# KiCad board unibone.kicad_pcb (continued)
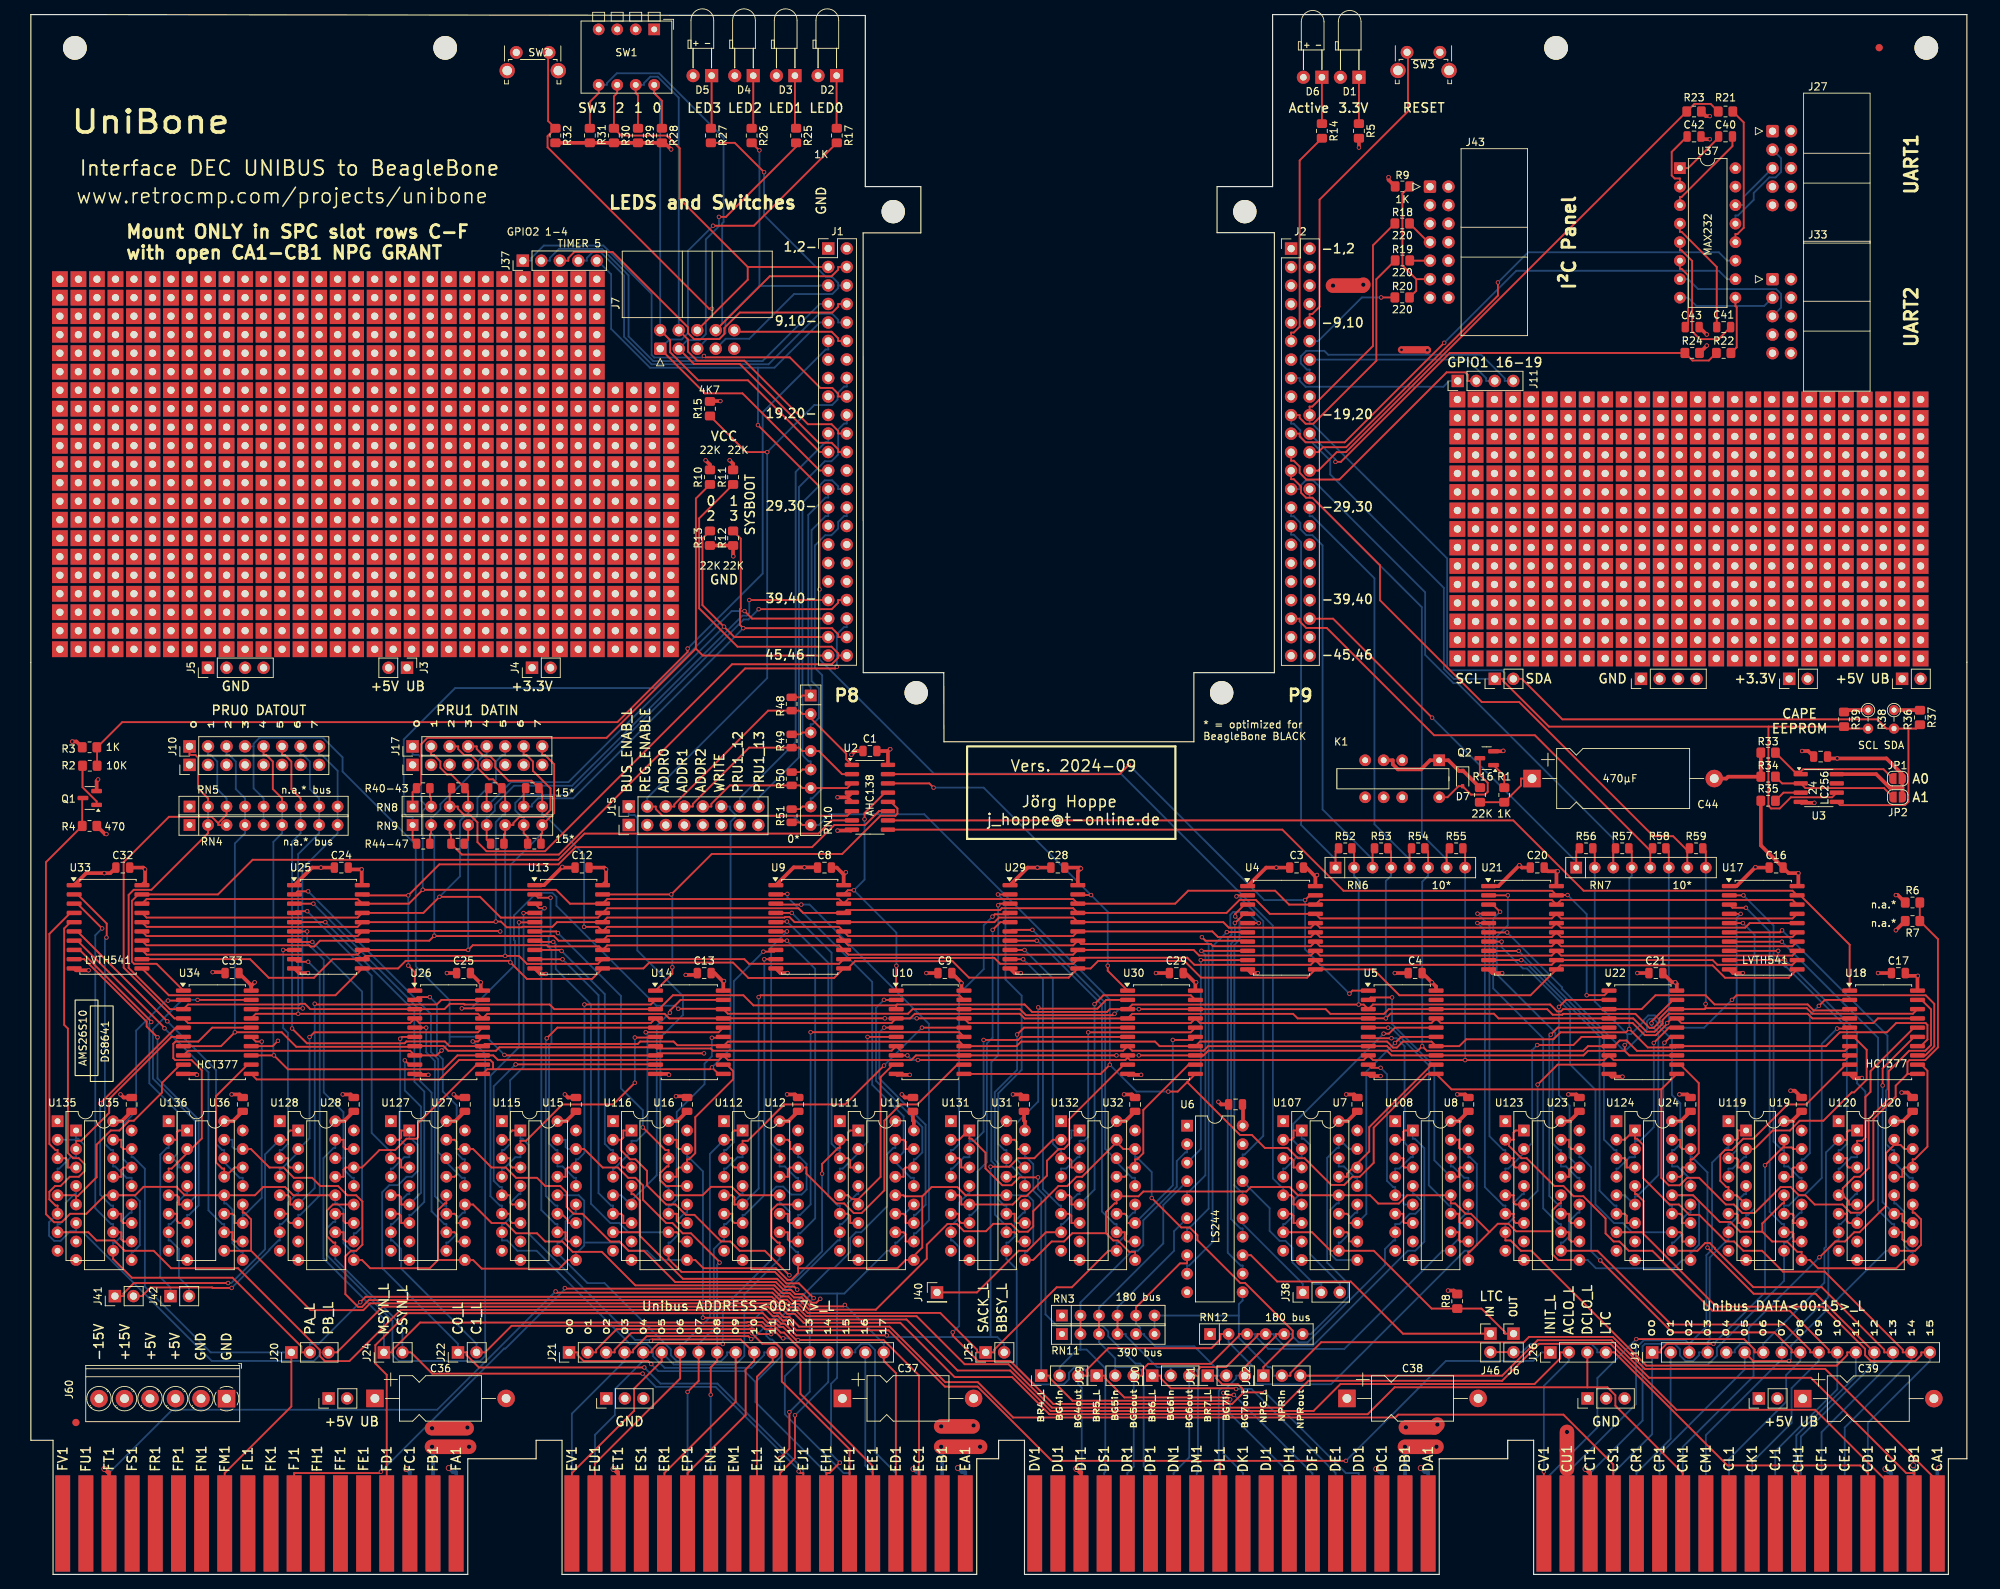
[diagram p0: board, top side]
## Footprints (pads in the part's own frame, mm; a bottom-side part is the same pattern mirrored in y, then rotated) (continued)
PinHeader_1x08_P2.54mm_Vertical
  rect 1.7x1.7 hole 1: 1(0,0)
  oval 1.7x1.7 hole 1: 2(0,-2.54) 3(0,-5.08) 4(0,-7.62) 5(0,-10.16) 6(0,-12.7) 7(0,-15.24) 8(0,-17.78)
PinHeader_1x16_P2.54mm_Vertical
  rect 1.7x1.7 hole 1: 1(0,0)
  oval 1.7x1.7 hole 1: 2(0,-2.54) 3(0,-5.08) 4(0,-7.62) 5(0,-10.16) 6(0,-12.7) 7(0,-15.24) 8(0,-17.78) 9(0,-20.32) 10(0,-22.86) 11(0,-25.4) 12(0,-27.94) 13(0,-30.48) 14(0,-33.02) 15(0,-35.56) 16(0,-38.1)
PinHeader_1x18_P2.54mm_Vertical
  rect 1.7x1.7 hole 1: 1(0,0)
  oval 1.7x1.7 hole 1: 2(0,-2.54) 3(0,-5.08) 4(0,-7.62) 5(0,-10.16) 6(0,-12.7) 7(0,-15.24) 8(0,-17.78) 9(0,-20.32) 10(0,-22.86) 11(0,-25.4) 12(0,-27.94) 13(0,-30.48) 14(0,-33.02) 15(0,-35.56) 16(0,-38.1) 17(0,-40.64) 18(0,-43.18)
PinHeader_2x23_P2.54mm_Vertical
  rect 1.7x1.7 hole 1: 1(0,0)
  oval 1.7x1.7 hole 1: 2(2.54,0) 3(0,-2.54) 4(2.54,-2.54) 5(0,-5.08) 6(2.54,-5.08) 7(0,-7.62) 8(2.54,-7.62) 9(0,-10.16) 10(2.54,-10.16) 11(0,-12.7) 12(2.54,-12.7) 13(0,-15.24) 14(2.54,-15.24) 15(0,-17.78) 16(2.54,-17.78) 17(0,-20.32) 18(2.54,-20.32) 19(0,-22.86) 20(2.54,-22.86) 21(0,-25.4) 22(2.54,-25.4) 23(0,-27.94) 24(2.54,-27.94) 25(0,-30.48) 26(2.54,-30.48) 27(0,-33.02) 28(2.54,-33.02) 29(0,-35.56) 30(2.54,-35.56) 31(0,-38.1) 32(2.54,-38.1) 33(0,-40.64) 34(2.54,-40.64) 35(0,-43.18) 36(2.54,-43.18) 37(0,-45.72) 38(2.54,-45.72) 39(0,-48.26) 40(2.54,-48.26) 41(0,-50.8) 42(2.54,-50.8) 43(0,-53.34) 44(2.54,-53.34) 45(0,-55.88) 46(2.54,-55.88)
R_0805_2012Metric
  rrect 1.025x1.4 smd: 1(-0.912,0) 2(0.912,0)
R_0805_2012Metric_Pad1.20x1.40mm_HandSolder
  rrect 1.2x1.4 smd: 1(-1,0) 2(1,0)
R_Array_SIP6
  rect 1.6x1.6 hole 0.8: 1(0,0)
  oval 1.6x1.6 hole 0.8: 2(2.54,0) 3(5.08,0) 4(7.62,0) 5(10.16,0) 6(12.7,0)
R_Array_SIP8
  rect 1.6x1.6 hole 0.8: 1(0,0)
  oval 1.6x1.6 hole 0.8: 2(2.54,0) 3(5.08,0) 4(7.62,0) 5(10.16,0) 6(12.7,0) 7(15.24,0) 8(17.78,0)
R_Array_SIP9
  rect 1.6x1.6 hole 0.8: 1(0,0)
  oval 1.6x1.6 hole 0.8: 2(2.54,0) 3(5.08,0) 4(7.62,0) 5(10.16,0) 6(12.7,0) 7(15.24,0) 8(17.78,0) 9(20.32,0)
R_Axial_DIN0204_L3.6mm_D1.6mm_P2.54mm_Vertical
  round 1.4 hole 0.7: 1(0,0)
  oval 1.4x1.4 hole 0.7: 2(2.54,0)
SOIC-8_3.9x4.9mm_P1.27mm
  rrect 1.95x0.6 smd: 1(-2.475,1.905) 2(-2.475,0.635) 3(-2.475,-0.635) 4(-2.475,-1.905) 5(2.475,-1.905) 6(2.475,-0.635) 7(2.475,0.635) 8(2.475,1.905)
SOIC-16_3.9x9.9mm_P1.27mm
  rrect 1.95x0.6 smd: 1(-2.475,4.445) 2(-2.475,3.175) 3(-2.475,1.905) 4(-2.475,0.635) 5(-2.475,-0.635) 6(-2.475,-1.905) 7(-2.475,-3.175) 8(-2.475,-4.445) 9(2.475,-4.445) 10(2.475,-3.175) 11(2.475,-1.905) 12(2.475,-0.635) 13(2.475,0.635) 14(2.475,1.905) 15(2.475,3.175) 16(2.475,4.445)
SOIC-20W_7.5x12.8mm_P1.27mm
  rrect 2.05x0.6 smd: 1(-4.65,5.715) 2(-4.65,4.445) 3(-4.65,3.175) 4(-4.65,1.905) 5(-4.65,0.635) 6(-4.65,-0.635) 7(-4.65,-1.905) 8(-4.65,-3.175) 9(-4.65,-4.445) 10(-4.65,-5.715) 11(4.65,-5.715) 12(4.65,-4.445) 13(4.65,-3.175) 14(4.65,-1.905) 15(4.65,-0.635) 16(4.65,0.635) 17(4.65,1.905) 18(4.65,3.175) 19(4.65,4.445) 20(4.65,5.715)
SolderJumper-2_P1.3mm_Open_RoundedPad1.0x1.5mm
  custom 1x1.5 smd: 1(-0.65,0) 2(0.65,0)
SOT-23
  rrect 1.475x0.6 smd: 1(-0.938,0.95) 2(-0.938,-0.95) 3(0.938,0)
SW_DIP_SPSTx04_Piano_CTS_Series194-4MSTN_W7.62mm_P2.54mm
  rect 1.6x1.6 hole 0.8: 1(0,0)
  oval 1.6x1.6 hole 0.8: 2(0,-2.54) 3(0,-5.08) 4(0,-7.62) 5(7.62,-7.62) 6(7.62,-5.08) 7(7.62,-2.54) 8(7.62,0)
SW_Tactile_SPST_Angled_PTS645Vx58-2LFS
  round 2.1 hole 1.3: (-1.25,-2.49) (5.76,-2.49)
  round 1.75 hole 0.99: 1(0,0) 2(4.5,0)
TerminalBlock_Phoenix_PT-1,5-6-3.5-H_1x06_P3.50mm_Horizontal
  rect 2.4x2.4 hole 1.2: 1(0,0)
  round 2.4 hole 1.2: 2(3.5,0) 3(7,0) 4(10.5,0) 5(14,0) 6(17.5,0)

## Nets
+3.3V: C1.2 C2.1 C3.2 C8.2 C12.2 C16.2 C20.2 C24.2 C28.2 C32.2 D1.2 D2.2 D3.2 D4.2 D5.2 D6.2 J2.3 J2.4 J4.1 J4.2 J34.1 J34.2 J43.5 JP1.2 JP2.2 R6.1 R10.1 R11.1 R35.1 R36.1 R37.1 R38.1 R39.1 RN5.1 SW1.1 SW1.2 SW1.3 SW1.4 SW2.1 U2.16 U3.8 U4.20 U9.20 U13.20 U17.20 U21.20 U25.20 U29.20 U33.20
+5VA: J2.5 J2.6 K1.5 K1.8 U37.16
GND: C1.1 C2.2 C3.1 C4.1 C5.1 C6.1 C7.1 C8.1 C9.1 C10.1 C11.1 C12.1 C13.1 C14.1 C15.1 C16.1 C17.1 C18.1 C19.1 C20.1 C21.1 C22.1 C23.1 C24.1 C25.1 C26.1 C27.1 C28.1 C29.1 C30.1 C31.1 C32.1 C33.1 C34.1 C35.1 C36.2 C37.2 C38.2 C39.2 C42.1 C43.1 C44.2 J1.1 J1.2 J2.1 J2.2 J2.43 J2.44 J2.45 J2.46 J5.1 J5.2 J5.3 J5.4 J7.9 J13.1 J13.2 J13.3 J14.1 J14.2 J14.3 J16.CC2 J16.CT1 J16.DC2 J16.DT1 J16.EC2 J16.ET1 J16.FC2 J16.FT1 J23.1 J23.2 J23.3 J23.4 J23.5 J23.6 J23.7 J23.8 J27.9 J33.9 J36.1 J36.2 J36.3 J36.4 J43.6 J43.8 J43.10 J43.12 J43.13 J43.14 J56.1 J56.2 J56.3 J56.4 J56.5 J56.6 J56.7 J56.8 J57.1 J57.2 J57.3 J57.4 J57.5 J57.6 J57.7 J57.8 J60.1 J60.2 Q1.2 Q2.2 R3.1 R5.2 R7.2 R9.2 R12.2 R13.2 R15.2 R23.1 R24.1 R28.2 R29.2 R30.2 R31.2 R32.2 R33.2 R34.2 RN4.1 RN11.1 SW3.2 U2.4 U2.5 U2.8 U3.4 U4.1 U4.10 U5.10 U6.1 U6.10 U6.19 U7.7 U7.8 U8.7 U8.8 U9.1 U9.10 U10.10 U11.7 U11.8 U12.7 U12.8 U13.1 U13.10 U14.10 U15.7 U15.8 U16.7 U16.8 U17.1 U17.10 U18.10 U19.7 U19.8 U20.7 U20.8 U21.1 U21.10 U22.10 U23.7 U23.8 U24.7 U24.8 U25.1 U25.10 U26.10 U27.7 U27.8 U28.7 U28.8 U29.1 U29.10 U30.10 U31.7 U31.8 U32.7 U32.8 U33.1 U33.10 U34.10 U35.7 U35.8 U36.7 U36.8 U37.15 U107.1 U107.8 U108.1 U108.8 U111.1 U111.8 U112.1 U112.8 U115.1 U115.8 U116.1 U116.8 U119.1 U119.8 U120.1 U120.8 U123.1 U123.8 U124.1 U124.8 U127.1 U127.8 U128.1 U128.8 U131.1 U131.8 U132.1 U132.8 U135.1 U135.8 U136.1 U136.8
/DS8641-ADR07/busdriver3/in1: U10.2 U11.14 U111.13
/DS8641-ADR07/busdriver3/in2: U10.5 U11.11 U111.11
/DS8641-ADR07/busdriver3/in3: U10.6 U11.2 U111.4
/DS8641-ADR07/busdriver3/in4: U10.9 U11.5 U111.5
/DS8641-ADR07/busdriver3/out1: U9.2 U11.13 U111.14
/DS8641-ADR07/busdriver3/out2: U9.3 U11.10 U111.10
/DS8641-ADR07/busdriver3/out3: U9.4 U11.3 U111.3
/DS8641-ADR07/busdriver3/out4: U9.5 U11.6 U111.6
/DS8641-ADR07/busdriver4/in1: U10.12 U12.14 U112.13
/DS8641-ADR07/busdriver4/in2: U10.15 U12.11 U112.11
/DS8641-ADR07/busdriver4/in3: U10.16 U12.2 U112.4
/DS8641-ADR07/busdriver4/in4: U10.19 U12.5 U112.5
/DS8641-ADR07/busdriver4/out1: U9.6 U12.13 U112.14
/DS8641-ADR07/busdriver4/out2: U9.7 U12.10 U112.10
/DS8641-ADR07/busdriver4/out3: U9.8 U12.3 U112.3
/DS8641-ADR07/busdriver4/out4: U9.9 U12.6 U112.6
/DS8641-ADR167+MSYN/busdriver3/in1: U26.2 U27.14 U127.13
/DS8641-ADR167+MSYN/busdriver3/in2: U26.5 U27.11 U127.11
/DS8641-ADR167+MSYN/busdriver3/in3: U26.6 U27.2 U127.4
/DS8641-ADR167+MSYN/busdriver3/in4: U26.9 U27.5 U127.5
/DS8641-ADR167+MSYN/busdriver3/out1: U25.2 U27.13 U127.14
/DS8641-ADR167+MSYN/busdriver3/out2: U25.3 U27.10 U127.10
/DS8641-ADR167+MSYN/busdriver3/out3: U25.4 U27.3 U127.3
/DS8641-ADR167+MSYN/busdriver3/out4: U25.5 U27.6 U127.6
/DS8641-ADR167+MSYN/busdriver4/bus3: J41.1 U28.1 U128.2
/DS8641-ADR167+MSYN/busdriver4/bus4: J41.2 U28.4 U128.7
/DS8641-ADR167+MSYN/busdriver4/in1: U26.12 U28.14 U128.13
/DS8641-ADR167+MSYN/busdriver4/in2: U26.15 U28.11 U128.11
/DS8641-ADR167+MSYN/busdriver4/in3: U26.16 U28.2 U128.4
/DS8641-ADR167+MSYN/busdriver4/in4: U26.19 U28.5 U128.5
/DS8641-ADR167+MSYN/busdriver4/out1: U25.6 U28.13 U128.14
/DS8641-ADR167+MSYN/busdriver4/out2: U25.7 U28.10 U128.10
/DS8641-ADR167+MSYN/busdriver4/out3: U25.8 U28.3 U128.3
/DS8641-ADR167+MSYN/busdriver4/out4: U25.9 U28.6 U128.6
/DS8641-ADR815/busdriver3/in1: U14.2 U15.14 U115.13
/DS8641-ADR815/busdriver3/in2: U14.5 U15.11 U115.11
/DS8641-ADR815/busdriver3/in3: U14.6 U15.2 U115.4
/DS8641-ADR815/busdriver3/in4: U14.9 U15.5 U115.5
/DS8641-ADR815/busdriver3/out1: U13.2 U15.13 U115.14
/DS8641-ADR815/busdriver3/out2: U13.3 U15.10 U115.10
/DS8641-ADR815/busdriver3/out3: U13.4 U15.3 U115.3
/DS8641-ADR815/busdriver3/out4: U13.5 U15.6 U115.6
/DS8641-ADR815/busdriver4/in1: U14.12 U16.14 U116.13
/DS8641-ADR815/busdriver4/in2: U14.15 U16.11 U116.11
/DS8641-ADR815/busdriver4/in3: U14.16 U16.2 U116.4
/DS8641-ADR815/busdriver4/in4: U14.19 U16.5 U116.5
/DS8641-ADR815/busdriver4/out1: U13.6 U16.13 U116.14
/DS8641-ADR815/busdriver4/out2: U13.7 U16.10 U116.10
/DS8641-ADR815/busdriver4/out3: U13.8 U16.3 U116.3
/DS8641-ADR815/busdriver4/out4: U13.9 U16.6 U116.6
/DS8641-ARB/busdriver3/in1: U30.2 U31.14 U131.13
/DS8641-ARB/busdriver3/in2: U30.5 U31.11 U131.11
/DS8641-ARB/busdriver3/in3: U30.6 U31.2 U131.4
/DS8641-ARB/busdriver3/in4: U30.9 U31.5 U131.5
/DS8641-ARB/busdriver3/out1: U29.2 U31.13 U131.14
/DS8641-ARB/busdriver3/out2: U29.3 U31.10 U131.10
/DS8641-ARB/busdriver3/out3: U29.4 U31.3 U131.3
/DS8641-ARB/busdriver3/out4: U29.5 U31.6 U131.6
/DS8641-ARB/busdriver4/bus4: J40.1 U32.4 U132.7
/DS8641-ARB/busdriver4/in1: U30.12 U32.14 U132.13
/DS8641-ARB/busdriver4/in2: U30.15 U32.11 U132.11
/DS8641-ARB/busdriver4/in3: U30.16 U32.2 U132.4
/DS8641-ARB/busdriver4/in4: U30.19 U32.5 U132.5
/DS8641-ARB/busdriver4/out1: U29.6 U32.13 U132.14
/DS8641-ARB/busdriver4/out2: U29.7 U32.10 U132.10
/DS8641-ARB/busdriver4/out3: U29.8 U32.3 U132.3
/DS8641-ARB/busdriver4/out4: U29.9 U32.6 U132.6
/DS8641-DAT07/busdriver3/in1: U18.2 U19.14 U119.13
/DS8641-DAT07/busdriver3/in2: U18.5 U19.11 U119.11
/DS8641-DAT07/busdriver3/in3: U18.6 U19.2 U119.4
/DS8641-DAT07/busdriver3/in4: U18.9 U19.5 U119.5
/DS8641-DAT07/busdriver3/out1: U17.2 U19.13 U119.14
/DS8641-DAT07/busdriver3/out2: U17.3 U19.10 U119.10
/DS8641-DAT07/busdriver3/out3: U17.4 U19.3 U119.3
/DS8641-DAT07/busdriver3/out4: U17.5 U19.6 U119.6
/DS8641-DAT07/busdriver4/in1: U18.12 U20.14 U120.13
/DS8641-DAT07/busdriver4/in2: U18.15 U20.11 U120.11
/DS8641-DAT07/busdriver4/in3: U18.16 U20.2 U120.4
/DS8641-DAT07/busdriver4/in4: U18.19 U20.5 U120.5
/DS8641-DAT07/busdriver4/out1: U17.6 U20.13 U120.14
/DS8641-DAT07/busdriver4/out2: U17.7 U20.10 U120.10
/DS8641-DAT07/busdriver4/out3: U17.8 U20.3 U120.3
/DS8641-DAT07/busdriver4/out4: U17.9 U20.6 U120.6
/DS8641-DAT815/busdriver3/in1: U22.2 U23.14 U123.13
/DS8641-DAT815/busdriver3/in2: U22.5 U23.11 U123.11
/DS8641-DAT815/busdriver3/in3: U22.6 U23.2 U123.4
/DS8641-DAT815/busdriver3/in4: U22.9 U23.5 U123.5
/DS8641-DAT815/busdriver3/out1: U21.2 U23.13 U123.14
/DS8641-DAT815/busdriver3/out2: U21.3 U23.10 U123.10
/DS8641-DAT815/busdriver3/out3: U21.4 U23.3 U123.3
/DS8641-DAT815/busdriver3/out4: U21.5 U23.6 U123.6
/DS8641-DAT815/busdriver4/in1: U22.12 U24.14 U124.13
/DS8641-DAT815/busdriver4/in2: U22.15 U24.11 U124.11
/DS8641-DAT815/busdriver4/in3: U22.16 U24.2 U124.4
/DS8641-DAT815/busdriver4/in4: U22.19 U24.5 U124.5
/DS8641-DAT815/busdriver4/out1: U21.6 U24.13 U124.14
/DS8641-DAT815/busdriver4/out2: U21.7 U24.10 U124.10
/DS8641-DAT815/busdriver4/out3: U21.8 U24.3 U124.3
/DS8641-DAT815/busdriver4/out4: U21.9 U24.6 U124.6
/DS8641-SSYN+MISC/busdriver3/in1: U34.2 U35.14 U135.13
/DS8641-SSYN+MISC/busdriver3/in2: U34.5 U35.11 U135.11
/DS8641-SSYN+MISC/busdriver3/in3: U34.6 U35.2 U135.4
/DS8641-SSYN+MISC/busdriver3/in4: U34.9 U35.5 U135.5
/DS8641-SSYN+MISC/busdriver3/out1: U33.2 U35.13 U135.14
/DS8641-SSYN+MISC/busdriver3/out2: U33.3 U35.10 U135.10
/DS8641-SSYN+MISC/busdriver3/out3: U33.4 U35.3 U135.3
/DS8641-SSYN+MISC/busdriver3/out4: U33.5 U35.6 U135.6
/DS8641-SSYN+MISC/busdriver4/bus3: J42.1 U36.1 U136.2
/DS8641-SSYN+MISC/busdriver4/bus4: J42.2 U36.4 U136.7
/DS8641-SSYN+MISC/busdriver4/in1: U34.12 U36.14 U136.13
/DS8641-SSYN+MISC/busdriver4/in2: U34.15 U36.11 U136.11
/DS8641-SSYN+MISC/busdriver4/in3: U34.16 U36.2 U136.4
/DS8641-SSYN+MISC/busdriver4/in4: U34.19 U36.5 U136.5
/DS8641-SSYN+MISC/busdriver4/out1: U33.6 U36.13 U136.14
/DS8641-SSYN+MISC/busdriver4/out2: U33.7 U36.10 U136.10
/DS8641-SSYN+MISC/busdriver4/out3: U33.8 U36.3 U136.3
/DS8641-SSYN+MISC/busdriver4/out4: U33.9 U36.6 U136.6
/misc-io/EEPROM_A0: JP1.1 R33.1 U3.1
/misc-io/EEPROM_A1: JP2.1 R34.1 U3.2
/SELECT0_L: U2.15 U4.19 U5.1
/SELECT1_L: U2.14 U29.19 U30.1
/SELECT2_L: U2.13 U9.19 U10.1
/SELECT3_L: U2.12 U13.19 U14.1
/SELECT4_L: U2.11 U25.19 U26.1
/SELECT5_L: U2.10 U17.19 U18.1
/SELECT6_L: U2.9 U21.19 U22.1
/SELECT7_L: U2.7 U33.19 U34.1
/TTL_IN_OUT/BUS_IN_DAT6: J38.1 U6.15
/TTL_IN_OUT/BUS_IN_DAT7: J38.2 U6.17
/TTL_IN_OUT/busdriver1/in1: U5.2 U8.14 U108.13
/TTL_IN_OUT/busdriver1/in2: U5.5 U8.11 U108.11
/TTL_IN_OUT/busdriver1/in3: U5.6 U8.2 U108.4
/TTL_IN_OUT/busdriver1/in4: U5.9 U8.5 U108.5
/TTL_IN_OUT/busdriver1/out1: U8.13 U108.14
/TTL_IN_OUT/busdriver1/out2: U8.10 U108.10
/TTL_IN_OUT/busdriver1/out3: U8.3 U108.3
/TTL_IN_OUT/busdriver1/out4: U8.6 U108.6
/TTL_IN_OUT/busdriver2/bus3: J38.3 U7.1 U107.2
/TTL_IN_OUT/busdriver2/in1: U5.12 U7.14 U107.13
/TTL_IN_OUT/busdriver2/in2: U5.15 U7.11 U107.11
/TTL_IN_OUT/busdriver2/in3: U5.16 U7.2 U107.4
/TTL_IN_OUT/busdriver2/out1: U7.13 U107.14
/TTL_IN_OUT/busdriver2/out2: U7.10 U107.10
/TTL_IN_OUT/busdriver2/out3: U7.3 U107.3
/TTL_IN_OUT/busdriver2/out4: U7.6 U107.6
BG4_IN_H: J16.DS2 J28.2 RN3.2 RN11.2 U6.2
BG4_OUT_H: J16.DT2 J28.3 RN12.2 U8.15 U108.15
BG5_IN_H: J16.DP2 J29.2 RN3.3 RN11.3 U6.4
BG5_OUT_H: J16.DR2 J29.3 RN12.3 U8.12 U108.9
BG6_IN_H: J16.DM2 J30.2 RN3.4 RN11.4 U6.6
BG6_OUT_H: J16.DN2 J30.3 RN12.4 U8.1 U108.2
BG7_IN_H: J16.DK2 J31.2 RN3.5 RN11.5 U6.8
BG7_OUT_H: J16.DL2 J31.3 RN12.5 U8.4 U108.7
BUS_ENABLE: J1.11 R2.2 R3.2
BUS_ENABLE_L: J15.1 Q1.3 R4.2 U7.9 U8.9 U11.9 U12.9 U15.9 U16.9 U19.9 U20.9 U23.9 U24.9 U27.9 U28.9 U31.9 U32.9 U35.9 U36.9 U107.12 U108.12 U111.12 U112.12 U115.12 U116.12 U119.12 U120.12 U123.12 U124.12 U127.12 U128.12 U131.12 U132.12 U135.12 U136.12
BUTTON: J1.12 J7.10 R32.1 SW2.2
GPIO1_0__32: J1.25 J7.1 R17.2
GPIO1_1__33: J1.24 J7.3 R25.2
GPIO1_2__34: J1.5 J7.5 R26.2
GPIO1_3__35: J1.6 J7.7 R27.2
GPIO1_4__36: J1.23 J7.2 R28.1 SW1.8
GPIO1_5__37: J1.22 J7.4 R29.1 SW1.7
GPIO1_6__38: J1.3 J7.6 R30.1 SW1.6
GPIO1_7__39: J1.4 J7.8 R31.1 SW1.5
GPIO1_14__46: J1.16 J15.2 R15.1 U2.6
GPIO1_16_48: J2.15 J11.1
GPIO1_17_49: J2.23 J11.2
GPIO1_18_50: J2.14 J11.3
GPIO1_19_51: J2.16 J11.4
GPIO2_1_65: J1.18 J37.1
GPIO2_2_66: J1.7 J37.2
GPIO2_3_67: J1.8 J37.3
GPIO2_4_68: J1.10 J37.4
I2C2_SCL: J2.19 J59.1 R19.1 R38.2 R39.2 U3.6
I2C2_SDA: J2.20 J59.2 R18.1 R36.2 R37.2 U3.5
LED_BUS_ACTIVITY: J2.11 R14.2
LTC_IN: J46.1 U6.13
LTC_OUT: J6.1 R8.2 U7.4 U7.12 U107.7 U107.9
NPG_IN_H: J16.CA1 J32.2 RN3.6 RN11.6 U6.11
NPG_OUT_H: J16.CB1 J32.3 RN12.6 U7.15 U107.15
PANEL_RESET_L: J2.12 R20.1
PRU0_00: J2.31 R52.1 RN6.1
PRU0_01: J2.29 R53.1 RN6.3
PRU0_02: J2.30 R54.1 RN6.5
PRU0_03: J2.28 R55.1 RN6.7
PRU0_04: J2.42 R56.1 RN7.1
PRU0_05: J2.27 R57.1 RN7.3
PRU0_06: J2.41 R58.1 RN7.5
PRU0_07: J2.25 R59.1 RN7.7
PRU1_00/SYSBOOT0: J1.45 R10.2 R40.1 RN8.1
PRU1_01/SYSBOOT1: J1.46 R11.2 R41.1 RN8.3
PRU1_02/SYSBOOT2: J1.43 R13.1 R42.1 RN8.5
PRU1_03/SYSBOOT3: J1.44 R12.1 R43.1 RN8.7
PRU1_04/SYSBOOT4: J1.41 R44.1 RN9.1
PRU1_05: J1.42 R45.1 RN9.3
PRU1_06: J1.39 R46.1 RN9.5
PRU1_07: J1.40 R47.1 RN9.7
PRU1_08: J1.27 R48.1 RN10.1
PRU1_09: J1.29 R49.1 RN10.3
PRU1_10: J1.28 R50.1 RN10.5
PRU1_11: J1.30 R51.1 RN10.7
PRU1_12: J1.21 J15.7
PRU1_13: J1.20 J15.8
REG_ADR0: J15.3 R48.2 RN10.2 U2.1
REG_ADR1: J15.4 R49.2 RN10.4 U2.2
REG_ADR2: J15.5 R50.2 RN10.6 U2.3
REG_DATIN_0: J17.1 R40.2 RN8.2 U4.18 U9.18 U13.18 U17.18 U21.18 U25.18 U29.18 U33.18
REG_DATIN_1: J17.2 R41.2 RN8.4 U4.17 U9.17 U13.17 U17.17 U21.17 U25.17 U29.17 U33.17
REG_DATIN_2: J17.3 R42.2 RN8.6 U4.16 U9.16 U13.16 U17.16 U21.16 U25.16 U29.16 U33.16
REG_DATIN_3: J17.4 R43.2 RN8.8 U4.15 U9.15 U13.15 U17.15 U21.15 U25.15 U29.15 U33.15
REG_DATIN_4: J17.5 R44.2 RN9.2 U4.14 U9.14 U13.14 U17.14 U21.14 U25.14 U29.14 U33.14
REG_DATIN_5: J17.6 R45.2 RN9.4 U4.13 U9.13 U13.13 U17.13 U21.13 U25.13 U29.13 U33.13
REG_DATIN_6: J17.7 R46.2 RN9.6 U4.12 U9.12 U13.12 U17.12 U21.12 U25.12 U29.12 U33.12
REG_DATIN_7: J17.8 R47.2 RN9.8 U4.11 U9.11 U13.11 U17.11 U21.11 U25.11 U29.11 U33.11
REG_DATOUT_0: J10.1 R52.2 RN4.2 RN5.2 RN6.2 U5.3 U10.3 U14.3 U18.3 U22.3 U26.3 U30.3 U34.3
REG_DATOUT_1: J10.2 R53.2 RN4.3 RN5.3 RN6.4 U5.4 U10.4 U14.4 U18.4 U22.4 U26.4 U30.4 U34.4
REG_DATOUT_2: J10.3 R54.2 RN4.4 RN5.4 RN6.6 U5.7 U10.7 U14.7 U18.7 U22.7 U26.7 U30.7 U34.7
REG_DATOUT_3: J10.4 R55.2 RN4.5 RN5.5 RN6.8 U5.8 U10.8 U14.8 U18.8 U22.8 U26.8 U30.8 U34.8
REG_DATOUT_4: J10.5 R56.2 RN4.6 RN5.6 RN7.2 U5.13 U10.13 U14.13 U18.13 U22.13 U26.13 U30.13 U34.13
REG_DATOUT_5: J10.6 R57.2 RN4.7 RN5.7 RN7.4 U5.14 U10.14 U14.14 U18.14 U22.14 U26.14 U30.14 U34.14
REG_DATOUT_6: J10.7 R58.2 RN4.8 RN5.8 RN7.6 U5.17 U10.17 U14.17 U18.17 U22.17 U26.17 U30.17 U34.17
REG_DATOUT_7: J10.8 R59.2 RN4.9 RN5.9 RN7.8 U5.18 U10.18 U14.18 U18.18 U22.18 U26.18 U30.18 U34.18
REG_WRITE: J15.6 R6.2 R7.1 R51.2 RN10.8 U5.11 U10.11 U14.11 U18.11 U22.11 U26.11 U30.11 U34.11
SYSRESET_L: J2.10 SW3.1
TIMER5: J1.9 J37.5 U7.5 U107.5
UART1_RXD: J2.26 R21.2 R23.2
UART1_TXD: J2.24 U37.11
UART2_RXD: J2.22 R22.2 R24.2
UART2_TXD: J2.21 U37.10
UB_5V: C4.2 C5.2 C6.2 C7.2 C9.2 C10.2 C11.2 C13.2 C14.2 C15.2 C17.2 C18.2 C19.2 C21.2 C22.2 C23.2 C25.2 C26.2 C27.2 C29.2 C30.2 C31.2 C33.2 C34.2 C35.2 C36.1 C37.1 C38.1 C39.1 D7.1 J3.1 J3.2 J16.CA2 J16.DA2 J16.EA2 J16.FA2 J35.1 J35.2 J43.1 J43.2 J43.3 J43.4 J60.3 J60.4 J61.1 J61.2 J62.1 J62.2 K1.1 K1.4 K1.9 R4.1 R8.1 R16.2 RN3.1 RN12.1 U5.20 U6.20 U7.16 U8.16 U10.20 U11.16 U12.16 U14.20 U15.16 U16.16 U18.20 U19.16 U20.16 U22.20 U23.16 U24.16 U26.20 U27.16 U28.16 U30.20 U31.16 U32.16 U34.20 U35.16 U36.16 U107.16 U108.16 U111.16 U112.16 U115.16 U116.16 U119.16 U120.16 U123.16 U124.16 U127.16 U128.16 U131.16 U132.16 U135.16 U136.16
UB_15V: J16.CU1 J60.5
UB_-15V: J16.CB2 J16.DB2 J16.EB2 J16.FB2 J60.6
UB_A00_L: J16.EH2 J21.1 U11.15 U111.15
UB_A01_L: J16.EH1 J21.2 U11.12 U111.9
UB_A02_L: J16.EF1 J21.3 U11.1 U111.2
UB_A03_L: J16.EV2 J21.4 U11.4 U111.7
UB_A04_L: J16.EU2 J21.5 U12.15 U112.15
UB_A05_L: J16.EV1 J21.6 U12.12 U112.9
UB_A06_L: J16.EU1 J21.7 U12.1 U112.2
UB_A07_L: J16.EP2 J21.8 U12.4 U112.7
UB_A08_L: J16.EN2 J21.9 U15.15 U115.15
UB_A09_L: J16.ER1 J21.10 U15.12 U115.9
UB_A10_L: J16.EP1 J21.11 U15.1 U115.2
UB_A11_L: J16.EL1 J21.12 U15.4 U115.7
UB_A12_L: J16.EC1 J21.13 U16.15 U116.15
UB_A13_L: J16.EK2 J21.14 U16.12 U116.9
UB_A14_L: J16.EK1 J21.15 U16.1 U116.2
UB_A15_L: J16.ED2 J21.16 U16.4 U116.7
UB_A16_L: J16.EE2 J21.17 U27.15 U127.15
UB_A17_L: J16.ED1 J21.18 U27.12 U127.9
UB_ACLO_L: J16.CV1 J26.2 U36.15 U136.15
UB_BBSY_L: J16.FD1 J25.2 U32.1 U132.2
UB_BR4_L: J16.DH2 J28.1 U31.15 U131.15
UB_BR5_L: J16.DF2 J29.1 U31.12 U131.9
UB_BR6_L: J16.DE2 J30.1 U31.1 U131.2
UB_BR7_L: J16.DD2 J31.1 U31.4 U131.7
UB_C0_L: J16.EJ2 J22.1 U27.1 U127.2
UB_C1_L: J16.EF2 J22.2 U27.4 U127.7
UB_D00_L: J16.CS2 J19.1 U19.15 U119.15
UB_D01_L: J16.CR2 J19.2 U19.12 U119.9
UB_D02_L: J16.CU2 J19.3 U19.1 U119.2
UB_D03_L: J16.CT2 J19.4 U19.4 U119.7
UB_D04_L: J16.CN2 J19.5 U20.15 U120.15
UB_D05_L: J16.CP2 J19.6 U20.12 U120.9
UB_D06_L: J16.CV2 J19.7 U20.1 U120.2
UB_D07_L: J16.CM2 J19.8 U20.4 U120.7
UB_D08_L: J16.CL2 J19.9 U23.15 U123.15
UB_D09_L: J16.CK2 J19.10 U23.12 U123.9
UB_D10_L: J16.CJ2 J19.11 U23.1 U123.2
UB_D11_L: J16.CH1 J19.12 U23.4 U123.7
UB_D12_L: J16.CH2 J19.13 U24.15 U124.15
UB_D13_L: J16.CF2 J19.14 U24.12 U124.9
UB_D14_L: J16.CE2 J19.15 U24.1 U124.2
UB_D15_L: J16.CD2 J19.16 U24.4 U124.7
UB_DCLO_L: J16.CN1 J26.3 U36.12 U136.9
UB_INIT_L: J16.DL1 J26.1 U35.4 U135.7
UB_INTR_L: J16.FM1 J20.1 U35.15 U135.15
UB_LTC: J6.2 J16.CD1 J26.4 J46.2
UB_MSYN_L: J16.EE1 J24.1 U28.15 U128.15
UB_NPR_L: J16.FJ1 J32.1 U32.15 U132.15
UB_PA_L: J16.CC1 J20.2 U35.12 U135.9
UB_PB_L: J16.CS1 J20.3 U35.1 U135.2
UB_SACK_L: J16.FT2 J25.1 U32.12 U132.9
UB_SSYN_L: J16.EJ1 J24.2 U28.12 U128.9
Net-(C44-Pad1): C44.1 R1.1 R16.1
Net-(D1-K): D1.1 R5.1
Net-(D2-K): D2.1 R17.1
Net-(D3-K): D3.1 R25.1
Net-(D4-K): D4.1 R26.1
Net-(D5-K): D5.1 R27.1
Net-(D6-K): D6.1 R14.1
Net-(D7-A): D7.2 K1.12 Q2.3
Net-(J27-RXD): J27.3 U37.13
Net-(J27-TXD): J27.5 U37.14
Net-(J33-RXD): J33.3 U37.8
Net-(J33-TXD): J33.5 U37.7
Net-(J43-Pin_7): J43.7 R18.2
Net-(J43-Pin_9): J43.9 R19.2
Net-(J43-Pin_11): J43.11 R9.1 R20.2
Net-(Q1-B): Q1.1 R2.1
Net-(Q2-B): Q2.1 R1.2
Net-(U3-A2): R35.2 U3.3
Net-(U4-A0): U4.2 U6.18
Net-(U4-A1): U4.3 U6.16
Net-(U4-A2): U4.4 U6.14
Net-(U4-A3): U4.5 U6.12
Net-(U4-A4): U4.6 U6.9
Net-(U4-A5): U4.7 U6.7
Net-(U4-A6): U4.8 U6.5
Net-(U4-A7): U4.9 U6.3
Net-(U37-C1+): C40.1 U37.1
Net-(U37-C1-): C40.2 U37.3
Net-(U37-C2+): C41.1 U37.4
Net-(U37-C2-): C41.2 U37.5
Net-(U37-R1OUT): R21.1 U37.12
Net-(U37-R2OUT): R22.1 U37.9
Net-(U37-VS+): C42.2 U37.2
Net-(U37-VS-): C43.2 U37.6

Pads without a net: F1 1; F2 1; J1 13 14 15 17 19 26 31 32 33 34 35 36 37 38; J2 7 8 9 13 17 18 32 33 34 35 36 37 38 39 40; J16 CE1 CF1 CJ1 CK1 CL1 CM1 CP1 CR1 DA1 DB1 DC1 DD1 DE1 DF1 DH1 DJ1 DJ2 DK1 DM1 DN1 DP1 DR1 DS1 DU1 DU2 DV1 DV2 EA1 EB1 EL2 EM1 EM2 EN1 ER2 ES1 ES2 ET2 FA1 FB1 FC1 FD2 FE1 FE2 FF1 FF2 FH1 FH2 FJ2 FK1 FK2 FL1 FL2 FM2 FN1 FN2 FP1 FP2 FR1 FR2 FS1 FS2 FU1 FU2 FV1 FV2; J27 1 2 4 6 7 8 10; J33 1 2 4 6 7 8 10; K1 3 10; U3 7; U5 19

## Via types
v1: diameter 0.6, hole 0.4, Top to Bottom, 330 vias
v2: diameter 0.8, hole 0.6, Top to Bottom, 28 vias

## Routing (per net, layer and track width the routed paths; a pad name or vN(x,y) marks a point on that pad's centre or on a via; arc(x,y) is an arc through that point)
+3.3V: length 891.4
  Top w0.5: U13.20 78.92,95.09 v1(78.92,96.77) 78.66,97.03 C12.2 ; U25.20 45.39,94.69 v1(45.39,96.77) 43.8,96.77 C24.2 ; v1(176.45,96.01) 176.23,95.79 ; 176.23,95.79 174.99,97.03 C3.2 ; 176.23,95.79 U4.20 ; v1(117.91,113.28) 117.84,113.28 117.59,113.03 ; 117.59,113.03 C1.2 ; 117.59,113.03 U2.16 ; U3.8 253.17,109.85 255.03,107.99 256.75,107.99 ; U17.20 242.49,94.66 v1(242.49,96.27) 241.15,96.27 C16.2 237.34,100.08 R35.1 ; JP2.2 256.77,107.98 256.75,107.99 ; C28.2 143.94,97.03 v1(144.07,96.9) 143.64,96.47 U29.20 ; R37.1 259.15,118.65 R36.1 ; 209.3,96.52 208.13,96.52 C20.2 ; 209.3,96.52 v1(209.47,96.52) ; 209.3,96.52 U21.20 ; v1(95.87,152.94) 96.34,152.46 R11.1 ; 256.75,107.99 JP1.2 256.75,109.84 254.58,112.01 v1(247.83,112.01) 246.75,112.01 C2.1 ; 111.51,96.09 110.57,97.03 C8.2 ; 111.51,96.09 v1(111.81,96.39) ; 111.51,96.09 U9.20 ; U33.20 15.67,95.04 v1(15.67,96.77) 15.42,97.03 C32.2 ; v1(255.86,93.25) 256.13,93.25 R6.1 ; v1(92.57,152.94) 93.17,152.34 R10.1 ; R38.1 249.02,118.65 R39.1
  In2.Cu w0.25: J34.2 247.77,122.94 R38.1 R36.1 ; D6.2 174.58,206.53 175.6,207.55 179.16,207.55 179.66,207.04 D1.2 179.63,189.93
  In2.Cu w0.5: 179.66,179.48 179.63,179.48 ; 104.06,152.94 104.08,152.94 104.09,152.94 ; 117.91,95.88 117.91,95.68 118.01,95.58 ; 108.13,207.33 108.16,207.29 108.16,205.74 ; 255.61,93.5 v1(255.86,93.25) ; 252.28,96.27 252.31,96.3 ; 96.57,208.28 96.57,208.91
  In2.Cu w1: v1(92.57,152.94) v1(95.87,152.94) 104.06,152.94
  In2.Cu w1.5: 18.52,95.45 18.21,95.76 18.21,104.15 19.47,105.41 RN5.1 ; 18.52,95.45 44.07,95.45 v1(45.39,96.77) 45.64,97.03 47,95.67 77.31,95.67 78.66,97.03 ; 18.52,95.45 16.99,95.45 v1(15.67,96.77) ; J2.3 J2.4 179.63,179.46 179.63,189.93 186.49,189.93 191,185.42 J43.5 ; 89.2,208.91 86.27,208.91 ; 89.2,208.91 86.27,208.91 ; 89.2,208.91 90.35,208.91 ; 86.27,208.91 85.52,209.79 SW1.1 SW1.2 SW1.3 SW1.4 69.68,212.09 SW2.1 ; 108,208.91 102.29,208.91 ; 108,208.91 D2.2 ; 108,208.91 108.13,208.91 108.13,205.74 ; 102.29,208.91 90.98,208.91 ; 102.29,208.91 D3.2 ; 90.86,208.91 D5.2 ; 90.86,208.91 90.35,208.91 ; 90.86,208.91 90.35,208.91 ; 90.86,208.91 90.98,208.91 ; 90.86,208.91 90.98,208.91 ; 180.45,179.48 179.66,179.48 ; 180.45,179.48 185,179.48 189.92,174.94 189.92,120.14 191.19,118.87 209.76,118.87 ; 180.45,179.48 180.17,122.46 149.31,97.03 144.2,97.03 v1(144.07,96.9) 142.75,95.58 113.39,95.58 112.19,96.77 v1(111.81,96.39) 110.16,94.74 104.32,94.74 ; 248.34,112.01 v1(247.83,112.01) 246.25,112.01 242.75,115.52 242.75,115.57 240.45,115.57 237.15,118.87 ; 78.66,97.03 v1(78.92,96.77) ; 78.66,97.03 v1(78.92,96.77) ; 78.66,97.03 75.11,100.58 75.11,119.38 71.3,123.19 J4.2 J4.1 ; 252.31,96.3 255.61,93.5 ; 96.57,208.28 D4.2 ; 209.76,118.87 237.15,118.87 ; 209.76,118.87 209.76,96.23 ; 237.15,118.87 237.15,121.21 238.87,122.94 J34.1 J34.2 ; 209.76,96.23 210.72,95.28 241.51,95.28 v1(242.49,96.27) 252.31,96.27 ; 209.76,96.23 209.76,96.01 ; 209.76,96.23 v1(209.47,96.52) 208.86,95.91 202.46,95.91 202.29,95.74 200.33,93.98 178.49,93.98 v1(176.45,96.01) ; 104.32,94.74 104.09,152.94 104.06,158.75 103.85,194.39 108.16,194.29 108.16,205.74 ; 104.32,94.74 80.95,94.74 v1(78.92,96.77) ; 117.91,95.88 v1(117.91,113.28)
+5VA: length 148
  Top w1: v1(188.05,168.1) 191.55,168.1 v1(191.6,168.05)
  Top w2: v2(178.65,176.92) 182.68,176.92 v2(182.8,177.04)
  In2.Cu w1: U37.16 231.29,195.61 225.95,195.61 198.39,168.05 v1(191.6,168.05)
  In2.Cu w1.5: 182.76,168.1 v1(188.05,168.1) ; J2.5 J2.6 v2(178.65,176.92) ; K1.5 181.93,111.76
  In2.Cu w2: v2(182.8,177.04) 182.77,169.39 182.76,168.1 182.55,119.13 180.26,117.86 180.26,111.76 181.93,111.76 ; K1.8 K1.5
GND: length 2565.4
  Top w0.5: v1(168.33,82.55) 167.44,82.55 U4.10 ; 172.7,97.03 v1(170.87,97.03) 169.47,97.03 U4.1 ; J16.CT1 213.92,14.04 213.72,14.04 v2(213.28,14.48) ; v1(201.85,82.55) 200.51,82.55 U21.10 ; v1(149.97,65.89) 151.07,65.89 C31.1 ; v2(10.08,14.48) 10.52,14.04 10.72,14.04 J16.FT1 ; R9.2 186.27,191.44 v1(186.27,191.8) ; C17.1 v1(253.42,82.55) ; U18.10 250.09,68.15 v1(251.2,68.15) ; v1(234.87,82.55) 233.53,82.55 U17.10 ; v1(96.38,139.75) 96.34,139.79 R12.2 R13.2 ; v1(229.93,170.21) 229.89,170.21 C43.1 ; v1(244.69,105.92) 242.94,105.92 U3.4 ; J16.DT1 144.07,14.04 143.87,14.04 v2(143.43,14.48) ; v1(58.02,65.89) 58.45,65.47 C26.1 ; v1(162.92,64.88) 163.28,64.52 C5.1 ; C42.1 229.51,197.01 v1(230.34,197.01) ; C23.1 227.27,65.89 v1(226.17,65.89) ; v1(89.84,82.3) 91.18,82.3 C13.1 ; v1(24.94,82.68) 26.52,82.68 26.65,82.55 ; v1(256.65,66.15) 257.5,66.15 C19.1 ; R23.1 229.81,200.18 v1(230.34,200.18) ; v1(210.93,65.89) 212.03,65.89 C22.1 ; C28.1 v1(138.1,97.03) 136.75,97.03 U29.1 ; v1(195.69,65.89) 196.79,65.89 C7.1 ; v1(120.57,68.58) 118.84,68.58 U10.10 ; C6.1 181.55,65.89 v1(180.45,65.89) ; U25.10 36.8,82.55 v1(38.02,82.55) ; v1(7.92,82.93) 6.2,82.93 U33.10 ; C20.1 204.55,97.03 v1(204.22,97.36) 201.35,94.49 U21.1 ; U26.10 52.8,68.58 v1(54.53,68.58) ; v1(229.93,168.69) 229.93,168.67 R24.1 ; R32.2 R31.2 R30.2 R29.2 R28.2 86.94,196.51 v1(87.84,195.61) ; C30.1 135.83,65.89 v1(134.73,65.89) ; R33.2 R34.2 232.86,109.5 232.6,109.25 C44.2 ; Q1.2 9.02,108.92 v1(9.23,109.12) ; 112.01,106.67 112.01,106.69 U2.4 ; 112.01,106.67 v1(110.67,106.67) ; 112.01,106.67 112.64,106.04 ; v1(88.5,65.64) 89.86,65.64 C15.1 ; v1(87.55,68.58) 87.43,68.71 U14.10 ; U9.10 102.84,82.55 v1(103.81,82.55) ; U13.10 69.9,82.42 v1(70.66,82.42) ; U29.10 134.97,82.55 v1(135.81,82.55) ; U2.8 112.51,102.11 v1(110.67,102.11) ; U34.10 22.66,68.71 v1(22.78,68.58) ; C1.1 113.09,113.03 v1(112.58,112.52) ; v1(5.67,114.33) 6.26,114.33 R3.1 ; C2.2 243.83,113.03 v1(243,113.03) ; C34.1 12.73,65.47 v1(12.3,65.89) ; v1(119.49,65.89) 119.92,65.47 C10.1 ; C29.1 v1(154.36,82.55) ; v1(42.78,65.89) 43.88,65.89 C27.1 ; U13.1 70.41,94.62 v1(72.92,97.12) 73.01,97.03 C12.1 ; U17.1 234,94.49 v1(236.6,97.08) 236.65,97.03 C16.1 ; U9.1 104.65,97.06 v1(106.13,97.06) 107.9,97.06 C8.1 ; v1(202.02,113.06) 201.95,112.99 Q2.2 ; C25.1 v1(57.07,82.55) ; v1(152.32,68.58) 150.59,68.58 U30.10 ; C21.1 v1(220.4,82.55) ; C35.1 28.64,65.89 v1(27.54,65.89) ; R7.2 257.13,89.69 v1(255.86,88.42) ; C32.1 10.9,96.27 v1(10.08,96.27) 7.59,96.27 U33.1 ; R5.2 v1(182.2,195.86) ; v1(73.26,65.89) 73.69,65.47 C14.1 ; C4.1 v1(187.12,82.55) ; v1(94.6,161.07) 93.21,161.07 R15.2 ; C9.1 v1(122.86,82.55) ; J16.ET1 80.57,14.04 80.37,14.04 v2(79.93,14.48) ; U5.10 183.78,68.41 v1(185.18,68.41) ; v1(218.36,68.33) 216.89,68.33 U22.10 ; C24.1 v1(39.8,97.03) 38.58,97.03 U25.1 ; C18.1 242,66.4 v1(241.41,66.4) ; v1(103.74,65.89) 104.84,65.89 C11.1